# Altium PCB Copy of Brake Module PCB R5.PcbDoc (part 2 of 2)
Units mm, origin at the board's own origin, x right, y up, seen from the top; angles counter-clockwise.
Board outline 73.35 x 121.67 mm, 4 copper layers (Top Layer, GND, Power, Bottom Layer), stack 0.604 mm thick; 146 components, 97 nets, 509 pads, 191 vias.
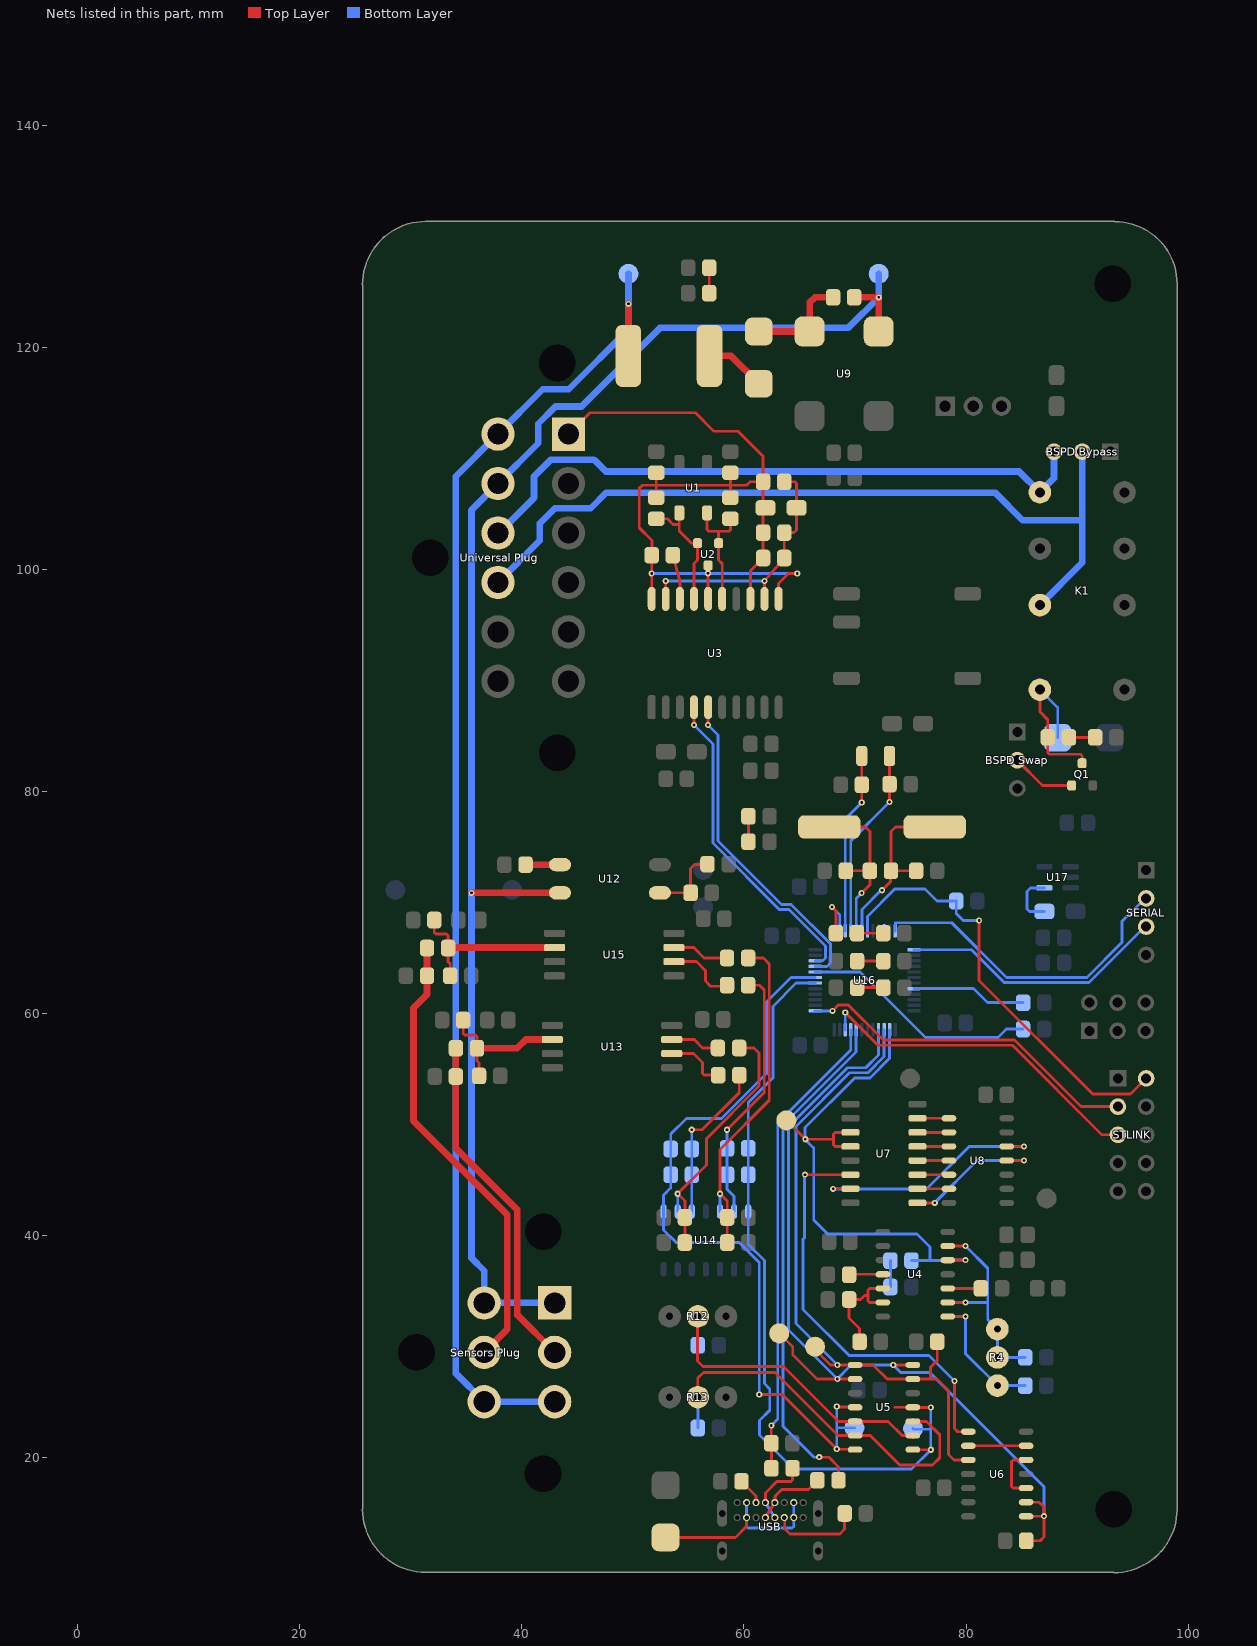
[diagram p4: the nets of this part, all layers, seen from the top]

## Via types
v1: diameter 0.55, hole 0.25, Top Layer to Bottom Layer, tented both sides, 188 vias
v2: diameter 0.55, hole 0.25, Top Layer to Bottom Layer, 3 vias

## Nets (pads, with @x,y where several pads share a name; then routed paths per layer and width w, separated by ;. In a path a pad name is that pad's centre, name@x,y a point inside that pad or via, vN(x,y) a via of type N, cw(c..) or ccw(c..) an arc to the next point about the centre after c; other vN are vias at no path point) (continued)
CANS: "Universal Plug.1" C2.1 C3.1 C4.1 C5.1 C6.1 C7.1 C8.1 C9.1 R1.1 U2.3 U3.11 U3.13 U3.16 U3.20 | length 79.3
  Top Layer w0.254: 44.196,112.166 46.127,114.097 55.626,114.097 57.302,112.42 59.487,112.42 61.725,110.182 C6.1@61.725,107.873 ; U3.20@51.689,97.332 v1(51.689,99.619) R1.1@51.689,101.269 51.714,101.294 51.714,102.594 50.571,103.737 50.571,107.29 50.851,107.569 52.096,107.569 ; C5.1@52.096,106.448 52.096,107.569 ; C3.1@52.096,108.69 52.096,107.569 ; U3.16@56.769,97.332 U2.3@56.769,100.346 ; C4.1@58.776,106.448 58.776,107.569 ; C2.1@58.776,108.69 58.776,107.569 ; U3.13@60.579,97.332 60.579,99.869 C9.1@61.725,101.015 C8.1@61.725,103.301 61.725,105.325 C7.1@61.937,105.537 61.725,105.749 C6.1@61.725,107.873 ; U3.11@63.119,97.333 63.119,98.719 64.019,99.619 v1(64.795,99.619) ; 52.096,107.569 58.776,107.569 ; 58.776,107.569 60.223,107.569 60.527,107.873 C6.1@61.725,107.873
  Bottom Layer w0.254: v1(51.689,99.619) v1(64.795,99.619)
  other v1: 56.769,99.644
CLOCK: Clock.1 D1.A U4.5 U7.11 U7.12 U16.26 | length 49.7
  Top Layer w0.254: Clock.1@63.821,50.379 v1(65.525,48.675) 68.075,48.675 ; U7.12@69.591,48.027 68.224,48.027 68.075,48.176 68.075,48.675 ; U7.11@69.591,49.297 68.224,49.297 68.075,49.148 68.075,48.675 ; U4.5@78.348,37.79 v1(79.948,37.79)
  Bottom Layer w0.254: U16.26@73.116,58.542 73.116,55.973 71.348,54.205 69.98,54.205 65.5,49.725 65.5,48.675 66.275,47.9 66.275,41.425 67.546,40.154 75.571,40.154 76.75,38.975 76.75,37.749 ; D1.A@75.082,37.749 76.75,37.749 ; 77.987,37.749 76.75,37.749 ; 77.987,37.79 v1(79.948,37.79)
GLV+: "Sensors Plug.3" "Sensors Plug.4" "Universal Plug.12" F1.1 GLV+.1 | length 121.5
  Top Layer w0.6: F1.1@49.596,119.215 v1(49.596,123.9)
  Bottom Layer w0.6: 42.96,25.042 36.61,25.042 34.061,27.591 34.061,108.381 37.846,112.166 41.885,116.205 44.221,116.205 49.6,121.584 49.6,123.896 v1(49.596,123.9) 49.596,126.596 GLV+.1@49.6,126.6
GLV-: "Sensors Plug.1" "Sensors Plug.6" "Universal Plug.11" C24.1 GLV-.1 U9.4 U12.2 | length 139.1
  Top Layer w0.6: v1(35.458,70.866) U12.2@43.434,70.866 ; C24.1@69.923,124.486 v1(72.133,124.486) ; U9.4@72.133,121.412 v1@72.133,124.375
  Bottom Layer w0.6: 42.96,33.942 36.61,33.942 36.61,36.84 35.458,37.992 v1(35.458,70.866) 35.458,105.328 37.846,107.716 41.478,111.348 41.478,113.103 43.031,114.656 45.364,114.656 52.441,121.733 69.383,121.733 72.133,124.483 v1(72.133,124.486) GLV-.1@72.133,126.6
"Green Loop IN": "BSPD Bypass.3" "Universal Plug.10" K1.9 | length 58.1
  Bottom Layer w0.6: 37.846,103.266 37.941,103.266 41.1,106.425 41.1,108.35 42.625,109.875 46.487,109.875 47.562,108.8 84.776,108.8 K1.9@86.642,106.934 87.912,108.204 87.912,110.592
"Green Loop OUT": "BSPD Bypass.2" "Universal Plug.9" K1.13 | length 73.3
  Bottom Layer w0.6: 37.846,98.816 41.605,102.575 41.605,104.115 42.991,105.5 46.2,105.5 47.6,106.9 82.612,106.9 85.093,104.419 90.452,104.419 ; K1.13@86.642,96.774 90.452,100.584 90.452,104.419 ; 90.452,110.592 90.452,104.419
"H REF": C22.2 R12.2 U5.5 U5.9 | length 28.8
  Top Layer w0.254: R12.2@55.842,32.735 55.829,32.722 55.829,28.702 56.312,28.219 63.556,28.219 68.505,23.27 U5.5@70.006,23.27 ; U5.5@70,23.25 72.974,23.25 ; 72.98,23.27 74.25,22 U5.9@75.206,22
  Bottom Layer w0.254: C22.2@55.842,30.124 R12.2@55.842,32.735
"L REF": C23.2 R13.2 U5.6 U5.10 | length 35.2
  Top Layer w0.254: R13.2@55.842,25.451 55.842,27.165 56.363,27.686 62.789,27.686 68.475,22 U5.6@70.006,22 71.375,22 74.025,19.35 76.975,19.35 77.625,20 77.625,22.075 76.43,23.27 U5.10@75.206,23.27
  Bottom Layer w0.254: R13.2@55.842,25.451 55.855,25.438 C23.2@55.855,22.681
"NetBSPD Swap_2": "BSPD Swap.2" Q1.G | length 5.8
  Top Layer w0.254: 84.61,82.804 86.88,80.534 Q1.G@89.502,80.534
NetC1_1: 
NetC4_2: C4.2 U1.4 U2.1 U3.15 | length 10.9
  Top Layer w0.254: U1.4@56.678,105.08 56.678,103.578 56.827,103.429 57.719,103.429 ; U3.15@58.039,97.332 58.039,100.503 57.719,100.823 57.719,103.429 ; C4.2@58.776,104.548 58.776,103.552 58.653,103.429 57.719,103.429
NetC5_2: C5.2 U1.3 U2.2 U3.17 | length 11.2
  Top Layer w0.254: C5.2@52.096,104.548 53.115,104.548 53.625,104.038 54.178,104.038 ; U1.3@54.178,105.08 54.178,104.038 ; U3.17@55.499,97.332 55.499,100.508 55.819,100.828 U2.2@55.819,102.356 ; U2.2@55.819,102.346 55.286,102.346 54.178,103.454 54.178,104.038
NetC6_2: C6.2 C7.2 C8.2 C9.2 U3.12 U3.19 | length 23.7
  Top Layer w0.254: U3.19@52.959,97.332 v1(52.959,98.932) ; U3.12@61.849,97.332 v1(61.849,98.932) C9.2@63.625,101.015 C8.2@63.625,103.301 63.643,103.319 64.507,103.319 64.737,103.548 C7.2@64.737,105.537 64.737,107.724 64.588,107.873 C6.2@63.625,107.873
  Bottom Layer w0.254: v1(52.959,98.932) v1(61.849,98.932)
NetC15_2: C15.2 U4.3 | length 3
  Top Layer w0.254: U4.3@78.348,35.25 C15.2@81.337,35.25
NetC16_2: C16.2 U4.11 | length 3.1
  Top Layer w0.254: C16.2@69.463,36.52 U4.11@72.513,36.52
NetC17_2: C17.2 R3.1 U4.12 U4.13 | length 9.8
  Top Layer w0.254: R3.1@70.413,30.449 70.413,31.637 69.463,32.587 C17.2@69.463,34.249 70.499,34.249 70.85,34.6 71.175,34.6 ; U4.13@72.513,33.98 71.324,33.98 71.175,34.129 71.175,34.6 ; U4.12@72.513,35.25 71.324,35.25 71.175,35.101 71.175,34.6
NetC24_2: C24.2 D3.K U9.1 | length 9.5
  Top Layer w0.6: D3.K@61.341,121.412 U9.1@65.913,121.412 65.913,124.018 66.382,124.486 C24.2@68.023,124.486
NetC29_2: C29.2 C39.2 R28.2 U13.2 | length 13.3
  Top Layer w0.254: C29.2@34.716,59.41 34.716,58.213 34.865,58.064 35.801,58.064 35.95,57.916 35.95,56.879 R28.2@35.959,56.87 35.959,55.735 36.146,55.548 C39.2@36.146,54.382
  Top Layer w0.6: R28.2@35.959,56.87 39.572,56.87 40.361,57.658 U13.2@42.748,57.658
NetC32_2: C32.2 R21.2 R22.2 U14.2 | length 24
  Top Layer w0.254: C32.2@54.68,39.375 R22.2@54.68,41.635 54.68,43.124 v1(54.03,43.774) 56.625,46.369 56.625,48.726 61.361,53.462 61.361,56.439 60.904,56.896 R21.2@59.558,56.896
  Bottom Layer w0.254: U14.2@54.03,42.174 v1(54.03,43.774)
NetC33_1: C33.1 R20.2 S1.1 U5.4 U5.7 U14.1 U16.43 | length 71
  Top Layer w0.254: v1(61.375,25.7) 63.445,25.7 v1(68.35,20.795) 68.382,20.763 69.973,20.763 U5.7@70.006,20.73 ; v1(68.35,24.605) 68.382,24.573 69.973,24.573 U5.4@70.006,24.54
  Bottom Layer w0.254: v1(61.375,25.7) 61.375,37.572 59.577,39.37 53.907,39.37 52.76,40.517 U14.1@52.76,42.174 52.76,43.635 53.4,44.275 C33.1@53.4,45.476 R20.2@53.4,47.802 53.4,49.133 54.813,50.546 57.988,50.546 62.025,54.583 62.025,61.025 64.242,63.242 U16.43@66.416,63.242 ; v1(68.35,20.795) 68.35,22.7 ; v1(68.35,24.605) 68.35,22.7 ; S1.1@69.95,22.7 68.35,22.7
NetC33_2: C33.2 R19.2 R20.1 U14.3 | length 14.6
  Top Layer w0.254: v1(55.3,49.53) 56.236,49.53 59.575,52.869 R19.2@59.575,54.45
  Bottom Layer w0.254: U14.3@55.3,42.174 v1(55.3,49.53)
NetC34_2: C34.2 C40.2 R30.2 U15.2 | length 15.8
  Top Layer w0.254: C34.2@32.116,68.416 32.116,67.299 32.265,67.15 33.211,67.15 33.359,67.001 R30.2@33.359,65.899 ; R30.2@33.399,65.938 R30.2@33.359,65.899 ; C40.2@33.546,63.4 33.546,64.479 33.359,64.666 R30.2@33.359,65.899
  Top Layer w0.6: R30.2@33.399,65.938 U15.2@42.946,65.938
NetC37_2: C37.2 R25.2 R26.2 U14.5 | length 30.9
  Top Layer w0.254: R26.2@58.49,39.375 C37.2@58.49,41.635 58.49,43.124 v1(57.84,43.774) 57.84,47.756 62.275,52.191 62.275,64.471 61.748,64.998 R25.2@60.374,64.998
  Bottom Layer w0.254: U14.5@57.84,42.174 v1(57.84,43.774)
NetC38_1: C38.1 R24.2 S2.1 U5.8 U5.11 U14.7 U16.42 | length 73.1
  Top Layer w0.254: 73.606,24.54 U5.11@75.206,24.54 75.211,24.535 76.82,24.535 v1(76.825,24.53) ; U5.8@75.206,20.73 75.211,20.725 76.82,20.725 v1(76.825,20.72)
  Bottom Layer w0.254: U16.42@66.416,62.742 64.699,62.742 62.6,60.643 62.6,54.218 60.38,51.998 R24.2@60.38,47.854 C38.1@60.38,45.476 U14.7@60.38,42.174 60.38,39.213 61.85,37.743 61.85,26.675 62.325,26.2 62.325,24.275 61.4,23.35 61.4,22.05 64.475,18.975 75.08,18.975 v1(76.825,20.72) 76.825,22.56 ; S2.1@75.225,22.625 75.29,22.56 76.825,22.56 ; v1(76.825,24.53) 76.825,22.56
NetC38_2: C38.2 R23.2 R24.1 U14.6 | length 23.2
  Top Layer w0.254: v1(58.48,49.53) 61.818,52.868 61.818,62.138 61.406,62.55 R23.2@60.375,62.55
  Bottom Layer w0.254: v1(58.48,49.53) 58.48,44.17 59.11,43.54 U14.6@59.11,42.174
NetC50_2: C50.2 U17.4 | length 5
  Bottom Layer w0.254: C50.2@87.049,69.19 85.7,69.19 85.471,69.418 85.471,70.997 85.787,71.312 U17.4@87.055,71.312
"NetCAN RX_1": U3.4 U16.46 | length 29
  Top Layer w0.254: v1(55.499,85.979) U3.4@55.499,87.579
  Bottom Layer w0.254: v1(55.499,85.979) 57.2,84.278 57.2,75.35 63.182,69.368 64.061,69.368 67.343,66.086 67.343,65 67.108,64.765 66.439,64.765 U16.46@66.416,64.742
"NetCAN RX_K": "CAN RX.K" R47.2 | length 2.4
  Top Layer w0.254: R47.2@70.18,62.332 72.547,62.332
"NetCAN TX_1": U3.5 U16.45 | length 29.6
  Top Layer w0.254: v1(56.769,85.979) U3.5@56.769,87.579
  Bottom Layer w0.254: v1(56.769,85.979) 57.657,85.091 57.657,75.539 63.371,69.825 64.25,69.825 67.8,66.275 67.8,64.566 67.476,64.242 U16.45@66.416,64.242
"NetCAN TX_K": "CAN TX.K" R46.2 | length 2.4
  Top Layer w0.254: R46.2@70.18,64.719 72.547,64.719
NetD1_K: D1.K R7.2 | length 2.4
  Bottom Layer w0.254: R7.2@73.182,35.371 D1.K@73.182,37.749
NetD2_K: D2.K R45.2 | length 2.4
  Top Layer w0.254: R45.2@70.178,67.233 D2.K@72.547,67.233
NetD3_A: D3.A F1.2 | length 5.5
  Top Layer w0.6: F1.2@56.896,119.215 58.838,119.215 D3.A@61.341,116.712
NetD4_K: D4.K R14.2 | length 2.3
  Top Layer w0.254: R14.2@56.871,124.866 D4.K@56.871,127.152
NetD5_K: D5.K R15.2 | length 2.3
  Top Layer w0.254: R15.2@60.399,75.47 D5.K@60.399,77.756
NetD6_A: D6.A K1.16 Q1.D R48.1 | length 14.8
  Top Layer w0.254: K1.16@86.642,89.154 86.642,87.173 87.358,86.457 R48.1@87.358,84.862 87.358,83.486 87.507,83.337 90.303,83.337 90.452,83.189 Q1.D@90.452,82.534
  Bottom Layer w0.254: K1.16@86.642,89.154 88.246,87.55 D6.A@88.246,84.836
NetD7_K: D7.K R48.2 | length 2.6
  Top Layer w0.254: R48.2@89.004,84.862 R48.2@89.258,84.862 D7.K@91.622,84.862
NetD10_A: D10.A USB.A4 USB.A9 USB.B4 USB.B9 | length 17.2
  Top Layer w0.254: D10.A@52.934,12.826 59.232,12.826 60.232,13.826 USB.B9@60.232,14.613
  Bottom Layer w0.254: USB.A4@60.232,15.963 60.232,13.814 60.381,13.665 64.333,13.665 64.482,13.814 USB.A9@64.482,15.963
"NetHigh P_1": High.1 R9.1 U5.2 U5.14 U6.1 U6.2 U16.28 | length 82.5
  Top Layer w0.254: High.1@63.175,31.2 64.4,29.975 64.4,29.25 66.57,27.08 v1(68.406,27.08) U5.2@70.006,27.08 ; v1(73.443,28.35) U5.14@75.206,28.35 ; U6.2@85.4,15.995 86.58,15.995 87.008,15.567 v1(87.008,14.739) ; U6.1@85.408,14.739 v1(87.008,14.739) ; R9.1@85.412,12.526 86.676,12.526 87.008,12.858 v1(87.008,14.739)
  Bottom Layer w0.254: U16.28@72.116,58.542 72.116,56.266 70.969,55.119 69.312,55.119 64,49.807 64,31.486 v1(68.406,27.08) 68.406,27.106 69.65,28.35 v1(73.443,28.35) 74.118,27.675 76.725,27.675 87.008,17.392 v1(87.008,14.739)
"NetLow P_1": Low.1 R10.1 U5.1 U5.13 U6.10 U16.27 | length 61.1
  Top Layer w0.254: Low.1@66.4,30 66.4,29.75 67.8,28.35 v1(68.406,28.35) U5.1@70.006,28.35 71.625,28.35 72.895,27.08 U5.13@75.206,27.08 76.8,27.08 ; R10.1@77.4,30.45 77.4,28.75 76.8,28.15 76.8,27.08 ; U6.10@80.2,19.805 78.92,19.805 78.425,20.3 78.425,26.025 77.37,27.08 76.8,27.08
  Bottom Layer w0.254: v1(68.406,28.35) 64.675,32.081 64.675,49.836 69.501,54.662 71.158,54.662 72.616,56.12 U16.27@72.616,58.542
NetP5_1: U6.8 U7.14 | length 38.2
  Top Layer w0.254: v1(65.5,45.487) U7.14@69.591,45.487 ; v1(78.95,26.9) 78.95,22.639 79.244,22.345 U6.8@80.2,22.345
  Bottom Layer w0.254: v1(65.5,45.487) 65.45,45.437 65.45,39.808 65.313,39.67 65.313,33.362 69.475,29.2 76.65,29.2 v1(78.95,26.9)
NetR1_2: R1.2 U3.18 | length 4
  Top Layer w0.254: R1.2@53.589,101.269 54.229,98.9 U3.18@54.229,97.332
NetR2_1: R2.1 R4.3 U4.1 | length 11.5
  Top Layer w0.254: U4.1@78.348,32.71 v1(79.948,32.71)
  Bottom Layer w0.254: v1(79.948,32.71) 79.948,29.364 R4.3@82.816,26.496 R2.1@85.325,26.496
NetR16_1: R16.1 U12.1 | length 3.1
  Top Layer w0.6: R16.1@40.332,73.406 U12.1@43.434,73.406
NetR17_2: R17.2 R18.2 U12.3 | length 6.6
  Top Layer w0.254: U12.3@52.434,70.866 R17.2@55.196,70.866 55.196,73.046 55.556,73.406 R18.2@56.712,73.406
NetR19_1: R19.1 U13.6 | length 5.6
  Top Layer w0.254: U13.6@53.493,56.388 55.462,56.388 56.275,55.575 56.275,54.599 56.424,54.45 R19.1@57.675,54.45
NetR21_1: R21.1 U13.7 | length 4.5
  Top Layer w0.254: U13.7@53.493,57.658 55.517,57.658 56.279,56.896 R21.1@57.658,56.896
NetR23_1: R23.1 U15.6 | length 6.2
  Top Layer w0.254: U15.6@53.691,64.668 55.728,64.668 56.54,63.856 56.54,62.916 56.998,62.458 R23.1@58.474,62.458
NetR25_1: R25.1 U15.7 | length 5.2
  Top Layer w0.254: U15.7@53.691,65.938 55.474,65.938 56.414,64.998 R25.1@58.474,64.998
NetR34_1: R34.1 USB.A6 USB.B6 | length 6.4
  Top Layer w0.254: USB.A6@61.932,15.963 61.932,16.838 62.95,17.855 64.223,17.855 64.372,18.004 R34.1@64.372,19.05
  Bottom Layer w0.254: USB.A6@61.932,15.963 USB.B6@62.782,14.613 USB.B6@62.786,14.618
NetR35_1: R35.1 USB.A7 USB.B7 | length 6.6
  Top Layer w0.254: USB.B7@61.932,14.613 USB.A7@62.782,15.963 62.782,16.532 63.4,17.15 65.8,17.15 R35.1@66.618,17.968
NetR36_1: R36.1 USB.A5 | length 2.5
  Top Layer w0.254: R36.1@59.775,17.875 61.087,16.563 61.087,15.968 USB.A5@61.082,15.963
NetR37_1: R37.1 USB.B5 | length 8.2
  Top Layer w0.254: USB.B5@63.632,14.613 63.664,14.581 63.664,13.628 64.16,13.132 68.631,13.132 69.066,13.567 R37.1@69.066,14.983
NetR39_2: R39.2 U16.44 | length 21.5
  Bottom Layer w0.254: U16.44@66.416,63.742 70.458,63.742 76.35,57.85 82.875,57.85 83.624,58.599 R39.2@85.137,58.599
NetR40_1: R40.1 U16.20 | length 10.3
  Bottom Layer w0.254: U16.20@75.316,62.242 80.658,62.242 81.924,60.976 R40.1@85.138,60.976
NetU6_3: U6.3 U6.5 | length 5
  Top Layer w0.254: U6.3@85.4,17.265 84.241,17.265 84.092,17.414 84.092,19.656 84.241,19.805 U6.5@85.4,19.805
NetU6_6: U6.6 U6.9 | length 5.2
  Top Layer w0.254: U6.9@80.2,21.075 U6.6@85.4,21.075
NetU7_1: U7.1 U8.11 | length 12.8
  Top Layer w0.254: U7.1@75.58,42.95 v1(77.18,42.95) ; U8.11@83.616,46.76 v1(85.216,46.76)
  Bottom Layer w0.254: v1(77.18,42.95) 77.18,42.955 80.985,46.76 v1(85.216,46.76)
NetU7_2: U7.2 U8.6 | length 3.3
  Top Layer w0.254: U7.2@75.173,44.217 U8.6@78.457,44.217
NetU7_3: U7.3 U8.5 | length 3.3
  Top Layer w0.254: U7.3@75.173,45.487 U8.5@78.457,45.487
NetU7_4: U7.4 U8.4 | length 3.3
  Top Layer w0.254: U7.4@75.173,46.757 U8.4@78.457,46.757
NetU7_5: U7.5 U8.3 | length 3.3
  Top Layer w0.254: U7.5@75.173,48.027 U8.3@78.457,48.027
NetU7_6: U7.6 U8.2 | length 3.3
  Top Layer w0.254: U7.6@75.173,49.297 U8.2@78.457,49.297
NetU7_7: U7.7 U8.1 | length 3.3
  Top Layer w0.254: U7.7@75.173,50.567 U8.1@78.457,50.567
NetU7_15: U7.15 U8.12 | length 22
  Top Layer w0.254: v1(68.032,44.214) U7.15@69.632,44.214 ; U8.12@83.616,48.03 v1(85.216,48.03)
  Bottom Layer w0.254: v1(68.032,44.214) 68.046,44.2 76.45,44.2 80.28,48.03 v1(85.216,48.03)
NRST: R38.1 STLINK.2 U16.7 | length 39.5
  Top Layer w0.254: v1(81.175,68.379) 81.175,62.975 91.4,52.75 94.81,52.75 STLINK.2@96.215,54.155
  Bottom Layer w0.254: U16.7@71.116,67.442 71.116,68.741 73.575,71.2 76.3,71.2 77.374,70.126 R38.1@79.113,70.126 79.113,69.012 79.746,68.379 v1(81.175,68.379)
PC13: R45.1 U16.2 | length 5
  Top Layer w0.254: v1(67.92,69.596) 68.278,69.237 R45.1@68.278,67.233
  Bottom Layer w0.254: v1(67.92,69.596) 68.616,68.9 68.616,67.457 U16.2@68.639,67.434
"PCB TEMP": U16.10
"Sensor 1 IN": "Sensors Plug.2" R27.2 R28.1 | length 31.1
  Top Layer w0.6: R28.1@34.06,56.87 R27.2@34.06,54.33 34.06,47.84 39.6,42.3 39.6,32.852 42.96,29.492
"Sensor 2 IN": "Sensors Plug.5" R29.2 R30.1 | length 41.3
  Top Layer w0.6: R30.1@31.46,65.899 R29.2@31.46,63.4 31.46,61.71 30.25,60.5 30.25,50.319 38.675,41.894 38.675,31.557 36.61,29.492
SWCLK: STLINK.3 U16.37 | length 31.3
  Top Layer w0.254: v1(67.975,60.239) 68.493,60.757 69.391,60.757 72.548,57.6 84.364,57.6 90.349,51.615 STLINK.3@93.675,51.615
  Bottom Layer w0.254: U16.37@66.375,60.239 v1(67.975,60.239)
SWDIO: STLINK.5 U16.34 | length 30.7
  Top Layer w0.254: v1(69.119,60.101) 72.077,57.143 84.175,57.143 92.243,49.075 STLINK.5@93.675,49.075
  Bottom Layer w0.254: U16.34@69.119,58.501 v1(69.119,60.101)
Trig/Thres: C14.2 R4.1 R4.2 U4.2 U4.6 | length 18.9
  Top Layer w0.254: U4.2@78.348,33.98 v1(79.948,33.98) ; U4.6@78.348,39.06 v1(79.948,39.06)
  Bottom Layer w0.254: v1(79.948,33.98) 81.95,33.98 ; v1(79.948,39.06) 81.95,37.058 81.95,33.98 ; C14.2@85.325,29.036 R4.2@82.816,29.036 R4.1@82.816,31.576 82.816,31.584 81.95,32.45 81.95,33.98
UARTRX: SERIAL.3 U16.13 | length 24.1
  Bottom Layer w0.254: U16.13@75.316,65.742 80.487,65.742 83.436,62.793 91.073,62.793 SERIAL.3@96.1,67.82
UARTTX: SERIAL.2 U16.12 | length 29.3
  Bottom Layer w0.254: U16.12@73.616,67.442 73.616,68.169 78.706,68.169 83.625,63.25 90.884,63.25 94.05,66.416 94.05,68.31 SERIAL.2@96.1,70.36
USBDM: R35.2 U16.32 | length 46.2
  Top Layer w0.254: v1(66.775,20.05) 67.633,20.05 68.513,19.17 R35.2@68.513,17.974
  Bottom Layer w0.254: v1(66.775,20.05) 66.284,20.05 63.5,22.834 63.5,49.954 70.093,56.547 70.093,58.519 U16.32@70.116,58.542
USBDP: R32.1 R34.2 U16.33 | length 42.5
  Top Layer w0.254: R32.1@62.463,21.299 v1(62.463,22.899) ; R34.2@62.472,19.05 R32.1@62.472,21.299
  Bottom Layer w0.254: v1(62.463,22.899) 63.043,23.479 63.043,50.143 69.616,56.716 U16.33@69.616,58.542
XTALA: C45.2 R31.1 U16.5 X1.1 | length 15.5
  Top Layer w0.254: X1.1@67.675,76.8 70.925,76.8 71.35,76.375 71.35,72.861 R31.1@71.338,72.849 ; C45.2@69.163,72.849 R31.1@71.338,72.849 ; v1(70.6,70.85) 71.338,71.588 R31.1@71.338,72.849
  Bottom Layer w0.254: U16.5@70.116,67.442 70.116,70.366 v1(70.6,70.85)
XTALB: C46.2 R31.2 U16.6 X1.2 | length 16.4
  Top Layer w0.254: v1(72.425,71.1) 73.192,71.867 73.192,72.802 R31.2@73.238,72.849 ; C46.2@75.5,72.849 R31.2@73.238,72.849 ; X1.2@77.175,76.8 73.65,76.8 73.238,76.388 R31.2@73.238,72.849
  Bottom Layer w0.254: U16.6@70.616,67.442 70.616,69.365 72.351,71.1 v1(72.425,71.1)
XTALC: C47.2 U16.3 X2.1 | length 16.4
  Top Layer w0.254: v1(70.607,78.993) C47.2@70.607,80.593 X2.1@70.607,83.185
  Bottom Layer w0.254: U16.3@69.116,67.442 69.116,77.503 v1(70.607,78.993)
XTALD: C48.2 U16.4 X2.2 | length 17.2
  Top Layer w0.254: v1(73.107,79.046) C48.2@73.107,80.646 X2.2@73.107,83.185
  Bottom Layer w0.254: U16.4@69.616,67.442 69.616,75.555 v1(73.107,79.046)
pads on no net: "BSPD Bypass.1" "Sensors Plug.0" "Universal Plug.0" "Universal Plug.2" "Universal Plug.3" "Universal Plug.6" "Universal Plug.7" K1.4 K1.6 K1.8 K1.11 STLINK.4 STLINK.6 STLINK.9 STLINK.10 U3.2 U3.14 U6.11 U6.12 U6.13 U7.9 U8.9 U8.10 U8.13 U11.8 U14.8 U14.9 U14.10 U14.12 U14.13 U14.14 U16.11 U16.14 U16.15 U16.16 U16.17 U16.21 U16.22 U16.31 U16.38 U16.39 U16.40 U16.41 USB.A8 USB.B8 USB.P2 USB.P3 USB.P4

## Polygon pours and split planes (outlines as drawn)
0V on Top Layer "0V_L01_P001" (solid, remove dead copper, pour order 1): 46.325,10.175 46.325,92.775 cw(c48.253,92.732) 48.45,94.65 98.5,94.65 98.5,125.7 ccw(c93.375,125.7) 93.375,130.825 31.375,130.825 ccw(c31.375,125.6) 26.15,125.6 26.15,15.375 ccw(c31.35,15.375) 31.35,10.175
"0V (ISO)" on Top Layer "0V_(ISO)_L01_P000" (solid, remove dead copper, pour order 0): 50.2,90.775 98.5,90.775 98.5,15.375 cw(c93.275,15.375) 93.275,10.15 88.775,10.15 50.2,10.175
0V on Bottom Layer "0V_L04_P003" (solid, remove dead copper, pour order 3): 46.325,10.175 46.325,92.775 cw(c48.253,92.732) 48.45,94.65 98.5,94.65 98.5,125.7 ccw(c93.375,125.7) 93.375,130.825 31.375,130.825 ccw(c31.375,125.6) 26.15,125.6 26.15,15.375 ccw(c31.35,15.375) 31.35,10.175
"0V (ISO)" on Bottom Layer "0V_(ISO)_L04_P002" (solid, remove dead copper, pour order 2): 50.2,90.775 98.5,90.775 98.5,15.375 cw(c93.275,15.375) 93.275,10.15 88.775,10.15 50.2,10.175
0V on GND (split plane): 31.343,130.808 93.273,130.808 93.3,130.799 93.4,130.79 93.417,130.791 93.707,130.782 94.014,130.755 94.318,130.708 94.619,130.644 94.915,130.561 95.206,130.461 95.49,130.343 95.767,130.208 96.035,130.057 96.293,129.89 96.541,129.708 96.777,129.511 97.001,129.3 97.212,129.076 97.409,128.84 97.591,128.592 97.758,128.334 97.909,128.066 98.044,127.789 98.162,127.505 98.262,127.214 98.345,126.918 98.409,126.617 98.456,126.313 98.483,126.007 98.492,125.724 98.49,125.7 98.49,94.667 48.275,94.667 48.085,94.658 47.896,94.63 47.711,94.584 47.532,94.519 47.359,94.438 47.196,94.34 47.043,94.226 46.902,94.098 46.774,93.957 46.66,93.804 46.562,93.641 46.481,93.468 46.416,93.289 46.37,93.104 46.342,92.915 46.333,92.725 46.333,10.187 31.35,10.187 31.317,10.184 31.037,10.193 30.724,10.221 30.414,10.268 30.108,10.334 29.805,10.418 29.509,10.521 29.219,10.641 28.937,10.778 28.664,10.932 28.401,11.102 28.148,11.288 27.907,11.489 27.679,11.704 27.464,11.932 27.263,12.173 27.077,12.426 26.907,12.689 26.753,12.962 26.616,13.244 26.496,13.534 26.393,13.83 26.309,14.133 26.243,14.439 26.196,14.749 26.168,15.062 26.16,15.323 26.164,15.371 26.164,125.629 26.16,125.677 26.168,125.938 26.196,126.251 26.243,126.561 26.309,126.867 26.393,127.17 26.496,127.466 26.616,127.756 26.753,128.038 26.907,128.311 27.077,128.574 27.263,128.827 27.464,129.068 27.679,129.296 27.907,129.511 28.148,129.712 28.401,129.898 28.664,130.068 28.937,130.222 29.219,130.359 29.509,130.479 29.805,130.582 30.108,130.666 30.414,130.732 30.724,130.779 31.037,130.807 31.272,130.814
"0V (ISO)" on GND (split plane): 98.49,15.35 98.491,15.332 98.482,15.037 98.454,14.724 98.407,14.414 98.341,14.108 98.257,13.805 98.154,13.509 98.034,13.219 97.897,12.937 97.743,12.664 97.573,12.401 97.387,12.148 97.186,11.907 96.971,11.679 96.743,11.464 96.502,11.263 96.249,11.077 95.986,10.907 95.713,10.753 95.431,10.616 95.141,10.496 94.845,10.393 94.542,10.309 94.236,10.243 93.926,10.196 93.613,10.168 93.449,10.163 93.4,10.178 93.3,10.187 50.217,10.187 50.217,90.783 98.49,90.783
5V on Power (split plane): 31.343,130.808 93.273,130.808 93.3,130.799 93.4,130.79 93.417,130.791 93.707,130.782 94.014,130.755 94.318,130.708 94.619,130.644 94.915,130.561 95.206,130.461 95.49,130.343 95.767,130.208 96.035,130.057 96.293,129.89 96.541,129.708 96.777,129.511 97.001,129.3 97.212,129.076 97.409,128.84 97.591,128.592 97.758,128.334 97.909,128.066 98.044,127.789 98.162,127.505 98.262,127.214 98.345,126.918 98.409,126.617 98.456,126.313 98.483,126.007 98.492,125.724 98.49,125.7 98.49,94.652 48.26,94.652 48.07,94.643 47.881,94.615 47.696,94.569 47.517,94.504 47.344,94.423 47.181,94.325 47.028,94.211 46.887,94.083 46.759,93.942 46.645,93.789 46.547,93.626 46.466,93.453 46.401,93.274 46.355,93.089 46.327,92.9 46.318,92.71 46.318,10.187 31.35,10.187 31.317,10.184 31.037,10.193 30.724,10.221 30.414,10.268 30.108,10.334 29.805,10.418 29.509,10.521 29.219,10.641 28.937,10.778 28.664,10.932 28.401,11.102 28.148,11.288 27.907,11.489 27.679,11.704 27.464,11.932 27.263,12.173 27.077,12.426 26.907,12.689 26.753,12.962 26.616,13.244 26.496,13.534 26.393,13.83 26.309,14.133 26.243,14.439 26.196,14.749 26.168,15.062 26.16,15.323 26.164,15.371 26.164,125.629 26.16,125.677 26.168,125.938 26.196,126.251 26.243,126.561 26.309,126.867 26.393,127.17 26.496,127.466 26.616,127.756 26.753,128.038 26.907,128.311 27.077,128.574 27.263,128.827 27.464,129.068 27.679,129.296 27.907,129.511 28.148,129.712 28.401,129.898 28.664,130.068 28.937,130.222 29.219,130.359 29.509,130.479 29.805,130.582 30.108,130.666 30.414,130.732 30.724,130.779 31.037,130.807 31.272,130.814
"5V (ISO)" on Power (split plane): 98.49,75.94 69.808,75.94 69.699,75.932 69.593,75.911 69.489,75.876 69.392,75.828 69.301,75.768 69.22,75.696 63.112,69.588 63.04,69.506 63.016,69.47 62.98,69.416 62.932,69.318 62.897,69.215 62.875,69.109 62.868,69 62.868,58.5 62.875,58.391 62.897,58.285 62.932,58.182 62.98,58.084 63.016,58.03 63.04,57.994 63.112,57.912 67.187,53.837 67.269,53.765 67.305,53.741 67.359,53.705 67.424,53.672 67.457,53.657 67.56,53.622 67.619,53.61 67.666,53.6 67.775,53.593 87.568,53.593 87.568,39 87.575,38.891 87.597,38.785 87.632,38.682 87.68,38.584 87.74,38.494 87.812,38.412 92.412,33.812 92.494,33.74 92.53,33.716 92.584,33.68 92.649,33.647 92.682,33.632 92.785,33.597 92.806,33.592 92.891,33.575 93,33.568 98.49,33.568 98.49,15.35 98.491,15.332 98.482,15.037 98.454,14.724 98.407,14.414 98.341,14.108 98.257,13.805 98.154,13.509 98.034,13.219 97.897,12.937 97.743,12.664 97.573,12.401 97.387,12.148 97.186,11.907 96.971,11.679 96.743,11.464 96.502,11.263 96.249,11.077 95.986,10.907 95.713,10.753 95.431,10.616 95.141,10.496 94.845,10.393 94.542,10.309 94.236,10.243 93.926,10.196 93.613,10.168 93.449,10.163 93.4,10.178 93.3,10.187 50.202,10.187 50.202,90.768 98.49,90.768
"3.3V (ISO)" on Power (split plane): 98.49,35.232 93.345,35.232 89.232,39.345 89.232,54.425 89.225,54.534 89.203,54.64 89.168,54.743 89.12,54.841 89.06,54.931 88.988,55.013 88.906,55.085 88.816,55.145 88.718,55.193 88.615,55.228 88.509,55.25 88.4,55.257 68.12,55.257 64.532,58.845 64.532,68.655 70.152,74.276 98.49,74.276

## Keep-outs
Top Layer:
  circle w1.65: c93.3,15.35 r3
  circle w1.65: c93.2,125.7 r3
Bottom Layer:
  circle w1.65: c93.3,15.35 r3
  circle w1.65: c93.2,125.7 r3

## Other copper
Top Layer:
  pour cut-out: 41.8,68.325 41.8,62.275 44.375,62.275 44.375,68.325
  pour cut-out: 52.3,68.325 52.3,62.325 54.875,62.325 54.875,68.325
  pour cut-out: 54.6,59.7 54.6,54 52.075,54 52.075,59.675
  pour cut-out: 41.65,59.675 41.65,54.35 44.3,54.35 44.3,59.725
  pour cut-out: 58.836,16.189 58.836,14.375 65.897,14.375 65.897,16.09
  pour cut-out: 84.7,23.075 84.7,13.975 86.2,13.975 86.2,23.075
  pour cut-out: 79.475,23.1 79.475,14.025 80.9,14.025 80.9,23.1
  pour cut-out: 74.5,29.125 74.5,19.95 75.825,19.95 75.825,29.125
  pour cut-out: 69.175,29.125 69.175,19.975 70.7,19.975 70.7,29.125
  pour cut-out: 77.65,41.244 77.65,31.825 79.125,31.825 79.125,41.219
  pour cut-out: 71.825,41.2 71.825,31.8 73.2,31.8 73.2,41.2
  pour cut-out: 82.975,42.175 82.975,51.325 84.35,51.325 84.35,42.2
  pour cut-out: 77.625,42.175 77.625,51.325 79.15,51.325 79.15,42.2
  pour cut-out: 74.475,52.45 74.475,42.2 76.725,42.2 76.725,52.45
  pour cut-out: 68.45,52.45 68.45,42.2 70.725,42.2 70.725,52.475
  pour cut-out: 50.924,95.787 50.974,95.837 63.624,95.837 63.624,98.687 63.574,98.637 50.899,98.637
  pour cut-out: 51.025,86.225 51.075,86.275 63.725,86.275 63.725,89.125 63.675,89.075 51,89.075
Bottom Layer:
  pour cut-out: 73.85,59.625 67.8,59.625 67.8,57.875 73.825,57.875
  pour cut-out: 67.9,66.375 73.95,66.375 73.95,68.125 67.925,68.125
  pour cut-out: 65.725,65.95 65.725,60.05 67.475,60.05 67.475,65.925
  pour cut-out: 67.343,66.086
  pour cut-out: 74.25,66.1 74.25,60.05 76,60.05 76,66.075
  pour cut-out: 52,43 52,41.45 61.175,41.45 61.175,43
  pour cut-out: 52,37.675 52,36.275 61.15,36.275 61.15,37.65
  pour cut-out: 58.845,16.174 58.845,14.361 65.905,14.361 65.905,16.076
GND (plane layer: these items are gaps in the copper):
  lines w3.88: 48.275,7.65 48.275,92.725 103.025,92.725
Power (plane layer: these items are gaps in the copper):
  lines w1.66: 100.7,75.108 69.808,75.108 63.7,69 63.7,58.5 67.775,54.425 88.4,54.425 88.4,39 93,34.4 100.9,34.4
  lines w3.88: 48.26,7.62 48.26,92.71 103,92.71

## Silkscreen, mask and mechanical layers (free items; w line width, h text height)
Top Overlay:
  drawing of 31 lines, arcs and shapes, not listed
  text "OKAY" at 80.025,84.775 h0.8
  text "DELAY" at 77.85,79.65 h0.8
  text "HIGH" at 57.154,35.254 h1
  text "28/04/2020 - T.B." at 95.677,35.243 h1.02 r90
  text "Brake Module R5" at 94.737,35.125 h1.02 r90
  text "Formula SAE" at 93.85,31.199 h1.78 r90
  text "Team Swinburne" at 92.453,20.006 h3.05 r90
  text "LOW" at 58.004,19.529 h1
Bottom Overlay:
  drawing of 22 lines, arcs and shapes, not listed
  text "SHIFT" at 72.875,49.175 h0.8 r90
  text "OUTPUT" at 82.425,46.175 h0.8 r90
  text "Brake Module R5" at 94.737,42.12 h1.02 r90
  text "28/04/2020 - T.B." at 95.677,42.12 h1.02 r90
  text "Team Swinburne" at 92.453,40.446 h3.05 r90
  text "Formula SAE" at 93.85,40.446 h1.78 r90
  text "TIMER" at 78.55,38.4 h0.8 r90
  text "COMP" at 73.075,23.625 h0.8 r90
  text "NAND" at 83.3,19.75 h0.8 r90
Drill Drawing:
  circle w0.254: c25.581,189.652 r0.847
  circle w0.254: c25.581,166.792 r0.508
  circle w0.254: c25.581,166.792 r0.847
  lines w0.254: 24.734,169.755 26.428,169.755 26.428,171.448 24.734,171.448 24.734,169.755 ; 24.734,173.565 26.428,173.565 26.428,175.258 24.734,175.258 24.734,173.565 ; 24.734,179.068 26.428,179.068 25.581,177.375 24.734,179.068 ; 24.734,181.608 25.158,181.608 25.158,181.185 26.004,181.185 26.004,181.608 26.428,181.608 26.428,182.455 26.004,182.455 26.004,182.878 25.158,182.878 25.158,182.455 24.734,182.455 24.734,181.608 ; 24.734,185.842 25.581,184.995 26.428,185.842 25.581,186.688 24.734,185.842 ; 24.734,194.308 26.428,194.308 25.581,192.615 24.734,194.308 ; 24.734,196.848 25.158,196.848 25.581,196.425 26.004,196.848 26.428,196.848 26.004,197.272 26.428,197.695 26.004,197.695 25.581,198.118 25.158,197.695 24.734,197.695 25.158,197.272 24.734,196.848 ; 24.734,200.235 25.581,200.658 26.428,200.235 26.004,201.082 26.428,201.928 25.581,201.505 24.734,201.928 25.158,201.082 24.734,200.235 ; 25.073,173.904 26.089,173.904 26.089,174.92 25.073,174.92 25.073,173.904 ; 25.073,193.97 26.089,193.97 25.581,192.954 25.073,193.97
  lines w0.381: 23.216,164.802 304.924,164.802 ; 23.216,202.902 304.924,202.902 ; 37.208,160.992 37.208,206.712 ; 52.444,160.992 52.444,206.712 ; 81.645,160.992 81.645,206.712 ; 94.494,160.992 94.494,206.712 ; 113.133,160.992 113.133,206.712 ; 151.222,160.992 151.222,206.712 ; 166.204,160.992 166.204,206.712 ; 185.147,160.992 185.147,206.712 ; 214.348,160.992 214.348,206.712 ; 236.034,160.992 236.034,206.712 ; 269.908,160.992 269.908,206.712 ; 23.216,160.992 304.924,160.992 304.924,206.712 23.216,206.712 23.216,160.992
  text "Symbol" at 25.502,204.045 h1.83
  text "Count" at 38.351,204.045 h1.83
  text "Hole Size" at 53.587,204.045 h1.83
  text "Plated" at 82.788,204.045 h1.83
  text "Hole Type" at 95.637,204.045 h1.83
  text "Drill Layer Pair" at 114.276,204.045 h1.83
  text "Via/Pad" at 152.365,204.045 h1.83
  text "Pad Shape" at 167.347,204.045 h1.83
  text "Template" at 186.29,204.045 h1.83
  text "Description" at 215.491,204.045 h1.83
  text "Hole Tolerance (+)" at 237.177,204.045 h1.83
  text "Hole Tolerance (-)" at 271.051,204.045 h1.83
  text "2" at 38.351,200.235 h1.52
  text "23.62mil (0.600mm)" at 53.587,200.235 h1.52
  text "PTH" at 82.788,200.235 h1.52
  text "Slot" at 95.637,200.235 h1.52
  text "Top Layer - Bottom Layer" at 114.276,200.235 h1.52
  text "Pad" at 152.365,200.235 h1.52
  text "Rounded" at 167.347,200.235 h1.52
  text "r170_90h60_140r100" at 186.29,200.235 h1.52
  text "2" at 38.351,196.425 h1.52
  text "23.62mil (0.600mm)" at 53.587,196.425 h1.52
  text "PTH" at 82.788,196.425 h1.52
  text "Slot" at 95.637,196.425 h1.52
  text "Top Layer - Bottom Layer" at 114.276,196.425 h1.52
  text "Pad" at 152.365,196.425 h1.52
  text "Rounded" at 167.347,196.425 h1.52
  text "r240_90h60_210r100" at 186.29,196.425 h1.52
  text "2" at 38.351,192.615 h1.52
  text "129.92mil (3.300mm)" at 53.587,192.615 h1.52
  text "PTH" at 82.788,192.615 h1.52
  text "Round" at 95.637,192.615 h1.52
  text "Top Layer - Bottom Layer" at 114.276,192.615 h1.52
  text "Pad" at 152.365,192.615 h1.52
  text "Rounded" at 167.347,192.615 h1.52
  text "c152h330" at 186.29,192.615 h1.52
  text "3" at 38.351,188.805 h1.52
  text "39.37mil (1.000mm)" at 53.587,188.805 h1.52
  text "PTH" at 82.788,188.805 h1.52
  text "Round" at 95.637,188.805 h1.52
  text "Top Layer - Bottom Layer" at 114.276,188.805 h1.52
  text "Pad" at 152.365,188.805 h1.52
  text "(Mixed)" at 167.347,188.805 h1.52
  text "(Mixed)" at 186.29,188.805 h1.52
  text "6" at 38.351,184.995 h1.52
  text "129.92mil (3.300mm)" at 53.587,184.995 h1.52
  text "NPTH" at 82.788,184.995 h1.52
  text "Round" at 95.637,184.995 h1.52
  text "Top Layer - Bottom Layer" at 114.276,184.995 h1.52
  text "Pad" at 152.365,184.995 h1.52
  text "Rounded" at 167.347,184.995 h1.52
  text "c300hn330" at 186.29,184.995 h1.52
  text "9" at 38.351,181.185 h1.52
  text "25.20mil (0.640mm)" at 53.587,181.185 h1.52
  text "PTH" at 82.788,181.185 h1.52
  text "Round" at 95.637,181.185 h1.52
  text "Top Layer - Bottom Layer" at 114.276,181.185 h1.52
  text "Pad" at 152.365,181.185 h1.52
  text "Rounded" at 167.347,181.185 h1.52
  text "c203h64" at 186.29,181.185 h1.52
  text "16" at 38.351,177.375 h1.52
  text "15.75mil (0.400mm)" at 53.587,177.375 h1.52
  text "PTH" at 82.788,177.375 h1.52
  text "Round" at 95.637,177.375 h1.52
  text "Top Layer - Bottom Layer" at 114.276,177.375 h1.52
  text "Pad" at 152.365,177.375 h1.52
  text "Rounded" at 167.347,177.375 h1.52
  text "c65h40" at 186.29,177.375 h1.52
  text "18" at 38.351,173.565 h1.52
  text "74.80mil (1.900mm)" at 53.587,173.565 h1.52
  text "PTH" at 82.788,173.565 h1.52
  text "Round" at 95.637,173.565 h1.52
  text "Top Layer - Bottom Layer" at 114.276,173.565 h1.52
  text "Pad" at 152.365,173.565 h1.52
  text "(Mixed)" at 167.347,173.565 h1.52
  text "(Mixed)" at 186.29,173.565 h1.52
  text "34" at 38.351,169.755 h1.52
  text "35.43mil (0.900mm)" at 53.587,169.755 h1.52
  text "PTH" at 82.788,169.755 h1.52
  text "Round" at 95.637,169.755 h1.52
  text "Top Layer - Bottom Layer" at 114.276,169.755 h1.52
  text "Pad" at 152.365,169.755 h1.52
  text "(Mixed)" at 167.347,169.755 h1.52
  text "(Mixed)" at 186.29,169.755 h1.52
  text "191" at 38.351,165.945 h1.52
  text "9.84mil (0.250mm)" at 53.587,165.945 h1.52
  text "PTH" at 82.788,165.945 h1.52
  text "Round" at 95.637,165.945 h1.52
  text "Top Layer - Bottom Layer" at 114.276,165.945 h1.52
  text "Via" at 152.365,165.945 h1.52
  text "Rounded" at 167.347,165.945 h1.52
  text "v55h25m0mx0" at 186.29,165.945 h1.52
  text "283 Total" at 38.351,162.135 h1.52
  text "Slot definitions :" at 25.502,158.453 h1.52
  text "Routed Path Length" at 51.732,158.453 h1.52
  text "= Calculated from tool start centre position to tool end centre position." at 79.74,158.453 h1.52
  text "Hole Length" at 51.732,155.913 h1.52
  text "= Routed Path Length + Tool Size = Slot length as defined in the PCB layout" at 69.329,155.913 h1.52
  text "FABRICATION NOTES" at 121.941,125.901 h3
  text "1. QUANTITY: 5" at 121.941,120.805 h3
  text "2. SIZE:" at 121.941,115.708 h3
  text "3. LAYERS: 4" at 121.941,110.612 h3
  text "4. SIGNAL LAYERS: 1,4" at 121.941,106.515 h3
  text "a) WEIGHT: 1oz" at 126.941,100.419 h3
  text "5. PLANES: 2" at 121.941,95.323 h3
  text "a) WEIGHT: 1oz" at 126.941,90.226 h3
  text "6. SOLDER MASKS: Blue" at 121.941,85.13 h3
  text "7. SILKSCREEN: White" at 121.941,80.033 h3
  text "8. SURFACE FINISH: HASL (With Lead)" at 121.941,74.937 h3
  text "9 FINISHED COPPER: 1oz Cu" at 121.941,69.841 h3
  text "10. TOTAL THICKNESS: 0.624mm" at 121.941,64.744 h3

## Dimensions
25.65,125.625 to 99.001,125.699 on Top Overlay
31.35,9.677 to 31.343,131.318 on Top Overlay
25.654,131.318 to 25.654,9.652 on Top Layer
25.654,131.318 to 99,131.318 on Top Layer